# KiCad board panel.kicad_pcb (continued)
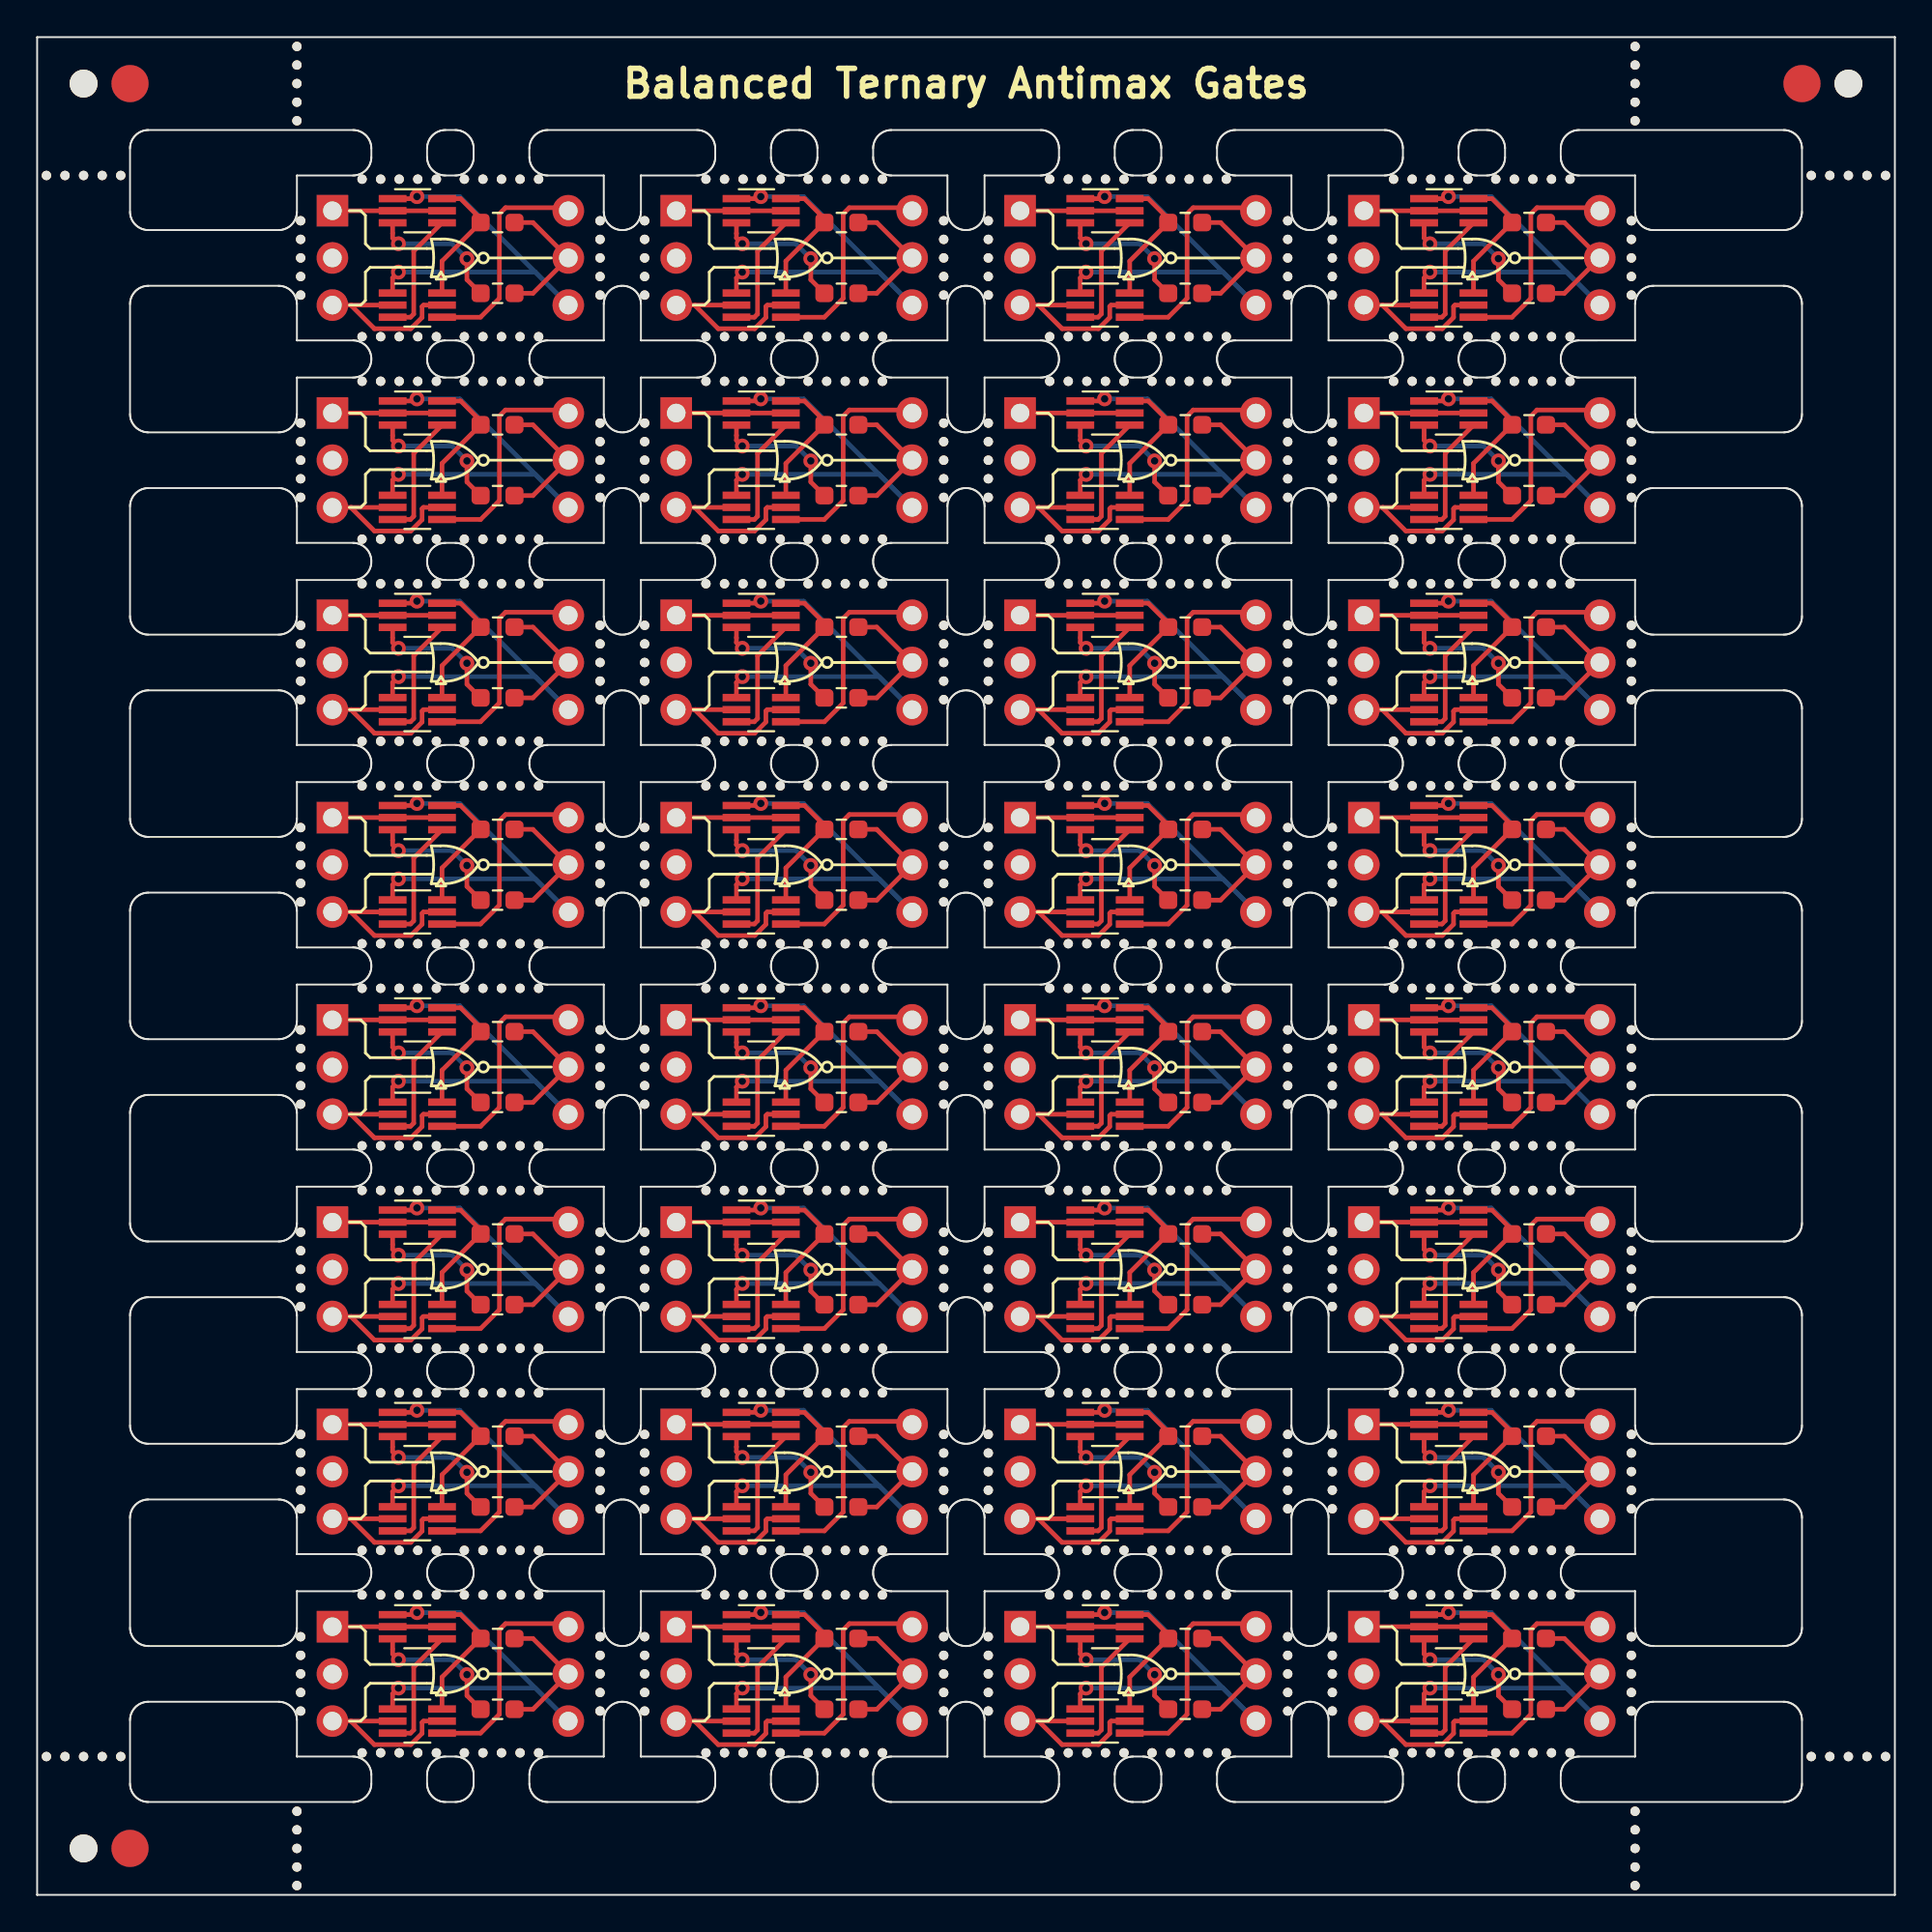
[diagram p0: board, top side]
## Routing (per net, layer and track width the routed paths; a pad name or vN(x,y) marks a point on that pad's centre or on a via; arc(x,y) is an arc through that point) (continued)
Board_7-VDD: length 12
  Top w0.25: Q1#29.4 79.4,74.05 80.42,75.06 80.42,79.61 80.74,79.94 83.96,79.94 J2#2.1
Board_7-VSS: length 23.1
  Top w0.25: v1(74.98,76.47) 74.67,76.16 Q1#29.1 ; Q2#13.1 75.87,80.43 v1(75.98,80.54)
  Bottom w0.25: v1(75.98,80.54) 78.28,80.54 J2#2.3 82.35,76.47 v1(74.98,76.47)
Board_8-A: length 9.5
  Top w0.25: Q1#32.5 20.8,63.81 20.72,63.73 20.72,63.14 20.12,62.54 18.16,62.54 16.91,63.78 16.91,63.81 ; 16.91,63.81 Q1#32.2 ; 16.91,63.81 J1#31.3
Board_8-B: length 5.9
  Top w0.25: Q2#6.5 Q2#6.2 J1#31.1
Board_8-Net-(Q1-Pad3): length 6.7
  Top w0.25: Q1#32.3 20.1,63.16 20.27,63.33 20.27,66.71 Q2#6.4
Board_8-Net-(Q1-Pad6): length 7.4
  Top w0.25: Q1#32.6 21.8,66.18 R2#19.2 23.87,68.46 22.8,69.54 Q2#6.6
Board_8-Net-(Q2-Pad3): length 7.4
  Top w0.25: v1(23.14,66.31) 23.14,65.18 R1#22.1 ; v1(19.45,67.11) 19.14,67.42 Q2#6.3
  Bottom w0.25: v1(19.45,67.11) 22.34,67.11 v1(23.14,66.31)
Board_8-Out: length 7.4
  Top w0.25: R1#22.2 26.69,64.44 J2#12.2 26.69,68.25 R2#19.1
Board_8-VDD: length 12
  Top w0.25: J2#12.1 28.43,69.05 25.21,69.05 24.88,68.72 24.88,64.17 23.87,63.16 Q1#32.4
Board_8-VSS: length 23.1
  Top w0.25: v1(20.45,69.65) 20.34,69.54 Q2#6.1 ; Q1#32.1 19.14,65.27 v1(19.45,65.58)
  Bottom w0.25: v1(19.45,65.58) 26.82,65.58 J2#12.3 22.75,69.65 v1(20.45,69.65)
Board_9-A: length 9.5
  Top w0.25: 40.31,63.81 39.31,63.81 39.23,63.73 39.23,63.14 38.63,62.54 36.67,62.54 35.42,63.78 35.42,63.81 ; Q1#23.2 35.42,63.81 ; 35.42,63.81 J1#19.3
Board_9-B: length 5.9
  Top w0.25: J1#19.1 Q2#25.2 40.31,68.89
Board_9-Net-(Q1-Pad3): length 6.7
  Top w0.25: Q1#23.3 38.61,63.16 38.78,63.33 38.78,66.71 40.31,68.24
Board_9-Net-(Q1-Pad6): length 7.4
  Top w0.25: 40.31,69.54 41.31,69.54 42.38,68.46 R2#2.2 40.31,66.18 40.31,64.46
Board_9-Net-(Q2-Pad3): length 7.4
  Top w0.25: Q2#25.3 37.65,67.42 v1(37.96,67.11) ; v1(41.65,66.31) 41.65,65.18 R1#24.1
  Bottom w0.25: v1(41.65,66.31) 40.85,67.11 v1(37.96,67.11)
Board_9-Out: length 7.4
  Top w0.25: R1#24.2 45.2,64.44 J2#9.2 45.2,68.25 R2#2.1
Board_9-VDD: length 12
  Top w0.25: J2#9.1 46.94,69.05 43.72,69.05 43.4,68.72 43.4,64.17 42.38,63.16 40.31,63.16
Board_9-VSS: length 23.1
  Top w0.25: Q2#25.1 38.85,69.54 v1(38.96,69.65) ; v1(37.96,65.58) 37.65,65.27 Q1#23.1
  Bottom w0.25: v1(37.96,65.58) 45.33,65.58 J2#9.3 41.26,69.65 v1(38.96,69.65)
Board_10-A: length 9.5
  Top w0.25: Q1#2.2 53.93,63.81 ; 53.93,63.81 53.93,63.78 55.18,62.54 57.14,62.54 57.74,63.14 57.74,63.73 57.82,63.81 Q1#2.5 ; 53.93,63.81 J1#26.3
Board_10-B: length 5.9
  Top w0.25: Q2#4.5 Q2#4.2 J1#26.1
Board_10-Net-(Q1-Pad3): length 6.7
  Top w0.25: Q1#2.3 57.12,63.16 57.29,63.33 57.29,66.71 Q2#4.4
Board_10-Net-(Q1-Pad6): length 7.4
  Top w0.25: Q1#2.6 58.82,66.18 R2#32.2 60.89,68.46 59.82,69.54 Q2#4.6
Board_10-Net-(Q2-Pad3): length 7.4
  Top w0.25: Q2#4.3 56.16,67.42 v1(56.47,67.11) ; v1(60.16,66.31) 60.16,65.18 R1#11.1
  Bottom w0.25: v1(56.47,67.11) 59.36,67.11 v1(60.16,66.31)
Board_10-Out: length 7.4
  Top w0.25: R1#11.2 63.71,64.44 J2#24.2 63.71,68.25 R2#32.1
Board_10-VDD: length 12
  Top w0.25: Q1#2.4 60.89,63.16 61.91,64.17 61.91,68.72 62.23,69.05 65.45,69.05 J2#24.1
Board_10-VSS: length 23.1
  Top w0.25: v1(57.47,69.65) 57.36,69.54 Q2#4.1 ; v1(56.47,65.58) 56.16,65.27 Q1#2.1
  Bottom w0.25: v1(56.47,65.58) 63.84,65.58 J2#24.3 59.77,69.65 v1(57.47,69.65)
Board_11-A: length 9.5
  Top w0.25: 72.44,63.81 J1.3 ; 72.44,63.81 Q1#31.2 ; 72.44,63.81 72.44,63.78 73.69,62.54 75.65,62.54 76.25,63.14 76.25,63.73 76.33,63.81 Q1#31.5
Board_11-B: length 5.9
  Top w0.25: J1.1 Q2#17.2 Q2#17.5
Board_11-Net-(Q1-Pad3): length 6.7
  Top w0.25: Q2#17.4 75.8,66.71 75.8,63.33 75.63,63.16 Q1#31.3
Board_11-Net-(Q1-Pad6): length 7.4
  Top w0.25: Q2#17.6 78.33,69.54 79.4,68.46 R2#21.2 77.33,66.18 Q1#31.6
Board_11-Net-(Q2-Pad3): length 7.4
  Top w0.25: R1#29.1 78.67,65.18 v1(78.67,66.31) ; v1(74.98,67.11) 74.67,67.42 Q2#17.3
  Bottom w0.25: v1(78.67,66.31) 77.87,67.11 v1(74.98,67.11)
Board_11-Out: length 7.4
  Top w0.25: R2#21.1 82.22,68.25 J2#28.2 82.22,64.44 R1#29.2
Board_11-VDD: length 12
  Top w0.25: J2#28.1 83.96,69.05 80.74,69.05 80.42,68.72 80.42,64.17 79.4,63.16 Q1#31.4
Board_11-VSS: length 23.1
  Top w0.25: v1(74.98,65.58) 74.67,65.27 Q1#31.1 ; Q2#17.1 75.87,69.54 v1(75.98,69.65)
  Bottom w0.25: v1(75.98,69.65) 78.28,69.65 J2#28.3 82.35,65.58 v1(74.98,65.58)
Board_12-A: length 9.5
  Top w0.25: 16.91,52.92 J1#27.3 ; 16.91,52.92 16.91,52.89 18.16,51.65 20.12,51.65 20.72,52.25 20.72,52.84 20.8,52.92 Q1#8.5 ; 16.91,52.92 Q1#8.2
Board_12-B: length 5.9
  Top w0.25: J1#27.1 Q2#21.2 Q2#21.5
Board_12-Net-(Q1-Pad3): length 6.7
  Top w0.25: Q2#21.4 20.27,55.82 20.27,52.44 20.1,52.27 Q1#8.3
Board_12-Net-(Q1-Pad6): length 7.4
  Top w0.25: Q1#8.6 21.8,55.29 R2#11.2 23.87,57.57 22.8,58.65 Q2#21.6
Board_12-Net-(Q2-Pad3): length 7.4
  Top w0.25: v1(19.45,56.22) 19.14,56.53 Q2#21.3 ; R1#16.1 23.14,54.29 v1(23.14,55.42)
  Bottom w0.25: v1(23.14,55.42) 22.34,56.22 v1(19.45,56.22)
Board_12-Out: length 7.4
  Top w0.25: R2#11.1 26.69,57.36 J2#13.2 26.69,53.55 R1#16.2
Board_12-VDD: length 12
  Top w0.25: Q1#8.4 23.87,52.27 24.88,53.28 24.88,57.83 25.21,58.16 28.43,58.16 J2#13.1
Board_12-VSS: length 23.1
  Top w0.25: Q2#21.1 20.34,58.65 v1(20.45,58.76) ; Q1#8.1 19.14,54.38 v1(19.45,54.69)
  Bottom w0.25: v1(20.45,58.76) 22.75,58.76 J2#13.3 26.82,54.69 v1(19.45,54.69)
Board_13-A: length 9.5
  Top w0.25: 40.31,52.92 39.31,52.92 39.23,52.84 39.23,52.25 38.63,51.65 36.67,51.65 35.42,52.89 35.42,52.92 ; 35.42,52.92 Q1#7.2 ; 35.42,52.92 J1#20.3
Board_13-B: length 5.9
  Top w0.25: J1#20.1 Q2#28.2 40.31,58
Board_13-Net-(Q1-Pad3): length 6.7
  Top w0.25: Q1#7.3 38.61,52.27 38.78,52.44 38.78,55.82 40.31,57.35
Board_13-Net-(Q1-Pad6): length 7.4
  Top w0.25: 40.31,53.57 40.31,55.29 R2#5.2 42.38,57.57 41.31,58.65 40.31,58.65
Board_13-Net-(Q2-Pad3): length 7.4
  Top w0.25: Q2#28.3 37.65,56.53 v1(37.96,56.22) ; R1#27.1 41.65,54.29 v1(41.65,55.42)
  Bottom w0.25: v1(37.96,56.22) 40.85,56.22 v1(41.65,55.42)
Board_13-Out: length 7.4
  Top w0.25: R2#5.1 45.2,57.36 J2#11.2 45.2,53.55 R1#27.2
Board_13-VDD: length 12
  Top w0.25: J2#11.1 46.94,58.16 43.72,58.16 43.4,57.83 43.4,53.28 42.38,52.27 40.31,52.27
Board_13-VSS: length 23.1
  Top w0.25: Q1#7.1 37.65,54.38 v1(37.96,54.69) ; v1(38.96,58.76) 38.85,58.65 Q2#28.1
  Bottom w0.25: v1(38.96,58.76) 41.26,58.76 J2#11.3 45.33,54.69 v1(37.96,54.69)
Board_14-A: length 9.5
  Top w0.25: Q1#12.5 57.82,52.92 57.74,52.84 57.74,52.25 57.14,51.65 55.18,51.65 53.93,52.89 53.93,52.92 ; 53.93,52.92 Q1#12.2 ; 53.93,52.92 J1#11.3
Board_14-B: length 5.9
  Top w0.25: Q2#8.5 Q2#8.2 J1#11.1
Board_14-Net-(Q1-Pad3): length 6.7
  Top w0.25: Q2#8.4 57.29,55.82 57.29,52.44 57.12,52.27 Q1#12.3
Board_14-Net-(Q1-Pad6): length 7.4
  Top w0.25: Q1#12.6 58.82,55.29 R2#28.2 60.89,57.57 59.82,58.65 Q2#8.6
Board_14-Net-(Q2-Pad3): length 7.4
  Top w0.25: v1(60.16,55.42) 60.16,54.29 R1#17.1 ; v1(56.47,56.22) 56.16,56.53 Q2#8.3
  Bottom w0.25: v1(60.16,55.42) 59.36,56.22 v1(56.47,56.22)
Board_14-Out: length 7.4
  Top w0.25: R2#28.1 63.71,57.36 J2#32.2 63.71,53.55 R1#17.2
Board_14-VDD: length 12
  Top w0.25: J2#32.1 65.45,58.16 62.23,58.16 61.91,57.83 61.91,53.28 60.89,52.27 Q1#12.4
Board_14-VSS: length 23.1
  Top w0.25: v1(57.47,58.76) 57.36,58.65 Q2#8.1 ; v1(56.47,54.69) 56.16,54.38 Q1#12.1
  Bottom w0.25: v1(56.47,54.69) 63.84,54.69 J2#32.3 59.77,58.76 v1(57.47,58.76)
Board_15-A: length 9.5
  Top w0.25: Q1#21.2 72.44,52.92 ; 72.44,52.92 J1#10.3 ; 72.44,52.92 72.44,52.89 73.69,51.65 75.65,51.65 76.25,52.25 76.25,52.84 76.33,52.92 Q1#21.5
Board_15-B: length 5.9
  Top w0.25: J1#10.1 Q2#22.2 Q2#22.5
Board_15-Net-(Q1-Pad3): length 6.7
  Top w0.25: Q1#21.3 75.63,52.27 75.8,52.44 75.8,55.82 Q2#22.4
Board_15-Net-(Q1-Pad6): length 7.4
  Top w0.25: Q2#22.6 78.33,58.65 79.4,57.57 R2#30.2 77.33,55.29 Q1#21.6
Board_15-Net-(Q2-Pad3): length 7.4
  Top w0.25: v1(74.98,56.22) 74.67,56.53 Q2#22.3 ; R1#30.1 78.67,54.29 v1(78.67,55.42)
  Bottom w0.25: v1(78.67,55.42) 77.87,56.22 v1(74.98,56.22)
Board_15-Out: length 7.4
  Top w0.25: R1#30.2 82.22,53.55 J2#29.2 82.22,57.36 R2#30.1
Board_15-VDD: length 12
  Top w0.25: Q1#21.4 79.4,52.27 80.42,53.28 80.42,57.83 80.74,58.16 83.96,58.16 J2#29.1
Board_15-VSS: length 23.1
  Top w0.25: Q2#22.1 75.87,58.65 v1(75.98,58.76) ; v1(74.98,54.69) 74.67,54.38 Q1#21.1
  Bottom w0.25: v1(75.98,58.76) 78.28,58.76 J2#29.3 82.35,54.69 v1(74.98,54.69)
Board_16-A: length 9.5
  Top w0.25: 16.91,42.03 16.91,42 18.16,40.76 20.12,40.76 20.72,41.36 20.72,41.95 20.8,42.03 Q1.5 ; 16.91,42.03 J1#15.3 ; 16.91,42.03 Q1.2
Board_16-B: length 5.9
  Top w0.25: Q2#27.5 Q2#27.2 J1#15.1
Board_16-Net-(Q1-Pad3): length 6.7
  Top w0.25: Q2#27.4 20.27,44.93 20.27,41.55 20.1,41.38 Q1.3
Board_16-Net-(Q1-Pad6): length 7.4
  Top w0.25: Q2#27.6 22.8,47.76 23.87,46.68 R2#13.2 21.8,44.4 Q1.6
Board_16-Net-(Q2-Pad3): length 7.4
  Top w0.25: v1(19.45,45.33) 19.14,45.64 Q2#27.3 ; R1#10.1 23.14,43.4 v1(23.14,44.53)
  Bottom w0.25: v1(23.14,44.53) 22.34,45.33 v1(19.45,45.33)
Board_16-Out: length 7.4
  Top w0.25: R2#13.1 26.69,46.47 J2#17.2 26.69,42.66 R1#10.2
Board_16-VDD: length 12
  Top w0.25: Q1.4 23.87,41.38 24.88,42.39 24.88,46.94 25.21,47.27 28.43,47.27 J2#17.1
Board_16-VSS: length 23.1
  Top w0.25: v1(19.45,43.8) 19.14,43.49 Q1.1 ; v1(20.45,47.87) 20.34,47.76 Q2#27.1
  Bottom w0.25: v1(19.45,43.8) 26.82,43.8 J2#17.3 22.75,47.87 v1(20.45,47.87)
Board_17-A: length 9.5
  Top w0.25: Q1#10.2 35.42,42.03 ; 35.42,42.03 J1#14.3 ; 35.42,42.03 35.42,42 36.67,40.76 38.63,40.76 39.23,41.36 39.23,41.95 39.31,42.03 40.31,42.03
Board_17-B: length 5.9
  Top w0.25: J1#14.1 Q2#5.2 40.31,47.11
Board_17-Net-(Q1-Pad3): length 6.7
  Top w0.25: 40.31,46.46 38.78,44.93 38.78,41.55 38.61,41.38 Q1#10.3
Board_17-Net-(Q1-Pad6): length 7.4
  Top w0.25: 40.31,42.68 40.31,44.4 R2#31.2 42.38,46.68 41.31,47.76 40.31,47.76
Board_17-Net-(Q2-Pad3): length 7.4
  Top w0.25: v1(41.65,44.53) 41.65,43.4 R1#15.1 ; Q2#5.3 37.65,45.64 v1(37.96,45.33)
  Bottom w0.25: v1(41.65,44.53) 40.85,45.33 v1(37.96,45.33)
Board_17-Out: length 7.4
  Top w0.25: R2#31.1 45.2,46.47 J2#10.2 45.2,42.66 R1#15.2
Board_17-VDD: length 12
  Top w0.25: 40.31,41.38 42.38,41.38 43.4,42.39 43.4,46.94 43.72,47.27 46.94,47.27 J2#10.1
Board_17-VSS: length 23.1
  Top w0.25: v1(38.96,47.87) 38.85,47.76 Q2#5.1 ; Q1#10.1 37.65,43.49 v1(37.96,43.8)
  Bottom w0.25: v1(38.96,47.87) 41.26,47.87 J2#10.3 45.33,43.8 v1(37.96,43.8)
Board_18-A: length 9.5
  Top w0.25: 53.93,42.03 53.93,42 55.18,40.76 57.14,40.76 57.74,41.36 57.74,41.95 57.82,42.03 Q1#13.5 ; 53.93,42.03 Q1#13.2 ; 53.93,42.03 J1#23.3
Board_18-B: length 5.9
  Top w0.25: Q2#20.5 Q2#20.2 J1#23.1
Board_18-Net-(Q1-Pad3): length 6.7
  Top w0.25: Q2#20.4 57.29,44.93 57.29,41.55 57.12,41.38 Q1#13.3
Board_18-Net-(Q1-Pad6): length 7.4
  Top w0.25: Q1#13.6 58.82,44.4 R2#27.2 60.89,46.68 59.82,47.76 Q2#20.6
Board_18-Net-(Q2-Pad3): length 7.4
  Top w0.25: R1.1 60.16,43.4 v1(60.16,44.53) ; Q2#20.3 56.16,45.64 v1(56.47,45.33)
  Bottom w0.25: v1(60.16,44.53) 59.36,45.33 v1(56.47,45.33)
Board_18-Out: length 7.4
  Top w0.25: R1.2 63.71,42.66 J2#3.2 63.71,46.47 R2#27.1
Board_18-VDD: length 12
  Top w0.25: J2#3.1 65.45,47.27 62.23,47.27 61.91,46.94 61.91,42.39 60.89,41.38 Q1#13.4
Board_18-VSS: length 23.1
  Top w0.25: Q2#20.1 57.36,47.76 v1(57.47,47.87) ; v1(56.47,43.8) 56.16,43.49 Q1#13.1
  Bottom w0.25: v1(56.47,43.8) 63.84,43.8 J2#3.3 59.77,47.87 v1(57.47,47.87)
Board_19-A: length 9.5
  Top w0.25: 72.44,42.03 72.44,42 73.69,40.76 75.65,40.76 76.25,41.36 76.25,41.95 76.33,42.03 Q1#27.5 ; 72.44,42.03 J1#6.3 ; 72.44,42.03 Q1#27.2
Board_19-B: length 5.9
  Top w0.25: Q2#19.5 Q2#19.2 J1#6.1
Board_19-Net-(Q1-Pad3): length 6.7
  Top w0.25: Q1#27.3 75.63,41.38 75.8,41.55 75.8,44.93 Q2#19.4
Board_19-Net-(Q1-Pad6): length 7.4
  Top w0.25: Q2#19.6 78.33,47.76 79.4,46.68 R2#23.2 77.33,44.4 Q1#27.6
Board_19-Net-(Q2-Pad3): length 7.4
  Top w0.25: v1(74.98,45.33) 74.67,45.64 Q2#19.3 ; v1(78.67,44.53) 78.67,43.4 R1#2.1
  Bottom w0.25: v1(74.98,45.33) 77.87,45.33 v1(78.67,44.53)
Board_19-Out: length 7.4
  Top w0.25: R1#2.2 82.22,42.66 J2#20.2 82.22,46.47 R2#23.1
Board_19-VDD: length 12
  Top w0.25: J2#20.1 83.96,47.27 80.74,47.27 80.42,46.94 80.42,42.39 79.4,41.38 Q1#27.4
Board_19-VSS: length 23.1
  Top w0.25: v1(74.98,43.8) 74.67,43.49 Q1#27.1 ; v1(75.98,47.87) 75.87,47.76 Q2#19.1
  Bottom w0.25: v1(74.98,43.8) 82.35,43.8 J2#20.3 78.28,47.87 v1(75.98,47.87)
Board_20-A: length 9.5
  Top w0.25: Q1#5.5 20.8,31.14 20.72,31.06 20.72,30.47 20.12,29.87 18.16,29.87 16.91,31.11 16.91,31.14 ; 16.91,31.14 J1#21.3 ; 16.91,31.14 Q1#5.2
Board_20-B: length 5.9
  Top w0.25: J1#21.1 Q2#23.2 Q2#23.5
Board_20-Net-(Q1-Pad3): length 6.7
  Top w0.25: Q2#23.4 20.27,34.04 20.27,30.66 20.1,30.49 Q1#5.3
Board_20-Net-(Q1-Pad6): length 7.4
  Top w0.25: Q1#5.6 21.8,33.51 R2.2 23.87,35.79 22.8,36.87 Q2#23.6
Board_20-Net-(Q2-Pad3): length 7.4
  Top w0.25: R1#28.1 23.14,32.51 v1(23.14,33.64) ; v1(19.45,34.44) 19.14,34.75 Q2#23.3
  Bottom w0.25: v1(23.14,33.64) 22.34,34.44 v1(19.45,34.44)
Board_20-Out: length 7.4
  Top w0.25: R1#28.2 26.69,31.77 J2#18.2 26.69,35.58 R2.1
Board_20-VDD: length 12
  Top w0.25: Q1#5.4 23.87,30.49 24.88,31.5 24.88,36.05 25.21,36.38 28.43,36.38 J2#18.1
Board_20-VSS: length 23.1
  Top w0.25: v1(19.45,32.91) 19.14,32.6 Q1#5.1 ; v1(20.45,36.98) 20.34,36.87 Q2#23.1
  Bottom w0.25: v1(19.45,32.91) 26.82,32.91 J2#18.3 22.75,36.98 v1(20.45,36.98)
Board_21-A: length 9.5
  Top w0.25: 35.42,31.14 35.42,31.11 36.67,29.87 38.63,29.87 39.23,30.47 39.23,31.06 39.31,31.14 40.31,31.14 ; 35.42,31.14 Q1#24.2 ; 35.42,31.14 J1#22.3
Board_21-B: length 5.9
  Top w0.25: 40.31,36.22 Q2#29.2 J1#22.1
Board_21-Net-(Q1-Pad3): length 6.7
  Top w0.25: 40.31,35.57 38.78,34.04 38.78,30.66 38.61,30.49 Q1#24.3
Board_21-Net-(Q1-Pad6): length 7.4
  Top w0.25: 40.31,31.79 40.31,33.51 R2#12.2 42.38,35.79 41.31,36.87 40.31,36.87
Board_21-Net-(Q2-Pad3): length 7.4
  Top w0.25: Q2#29.3 37.65,34.75 v1(37.96,34.44) ; v1(41.65,33.64) 41.65,32.51 R1#21.1
  Bottom w0.25: v1(41.65,33.64) 40.85,34.44 v1(37.96,34.44)
Board_21-Out: length 7.4
  Top w0.25: R2#12.1 45.2,35.58 J2#22.2 45.2,31.77 R1#21.2
Board_21-VDD: length 12
  Top w0.25: J2#22.1 46.94,36.38 43.72,36.38 43.4,36.05 43.4,31.5 42.38,30.49 40.31,30.49
Board_21-VSS: length 23.1
  Top w0.25: Q2#29.1 38.85,36.87 v1(38.96,36.98) ; Q1#24.1 37.65,32.6 v1(37.96,32.91)
  Bottom w0.25: v1(38.96,36.98) 41.26,36.98 J2#22.3 45.33,32.91 v1(37.96,32.91)
Board_22-A: length 9.5
  Top w0.25: 53.93,31.14 53.93,31.11 55.18,29.87 57.14,29.87 57.74,30.47 57.74,31.06 57.82,31.14 Q1#20.5 ; 53.93,31.14 Q1#20.2 ; 53.93,31.14 J1#24.3
Board_22-B: length 5.9
  Top w0.25: Q2#31.5 Q2#31.2 J1#24.1
Board_22-Net-(Q1-Pad3): length 6.7
  Top w0.25: Q2#31.4 57.29,34.04 57.29,30.66 57.12,30.49 Q1#20.3
Board_22-Net-(Q1-Pad6): length 7.4
  Top w0.25: Q1#20.6 58.82,33.51 R2#8.2 60.89,35.79 59.82,36.87 Q2#31.6
Board_22-Net-(Q2-Pad3): length 7.4
  Top w0.25: v1(56.47,34.44) 56.16,34.75 Q2#31.3 ; v1(60.16,33.64) 60.16,32.51 R1#18.1
  Bottom w0.25: v1(60.16,33.64) 59.36,34.44 v1(56.47,34.44)
Board_22-Out: length 7.4
  Top w0.25: R1#18.2 63.71,31.77 J2#16.2 63.71,35.58 R2#8.1
Board_22-VDD: length 12
  Top w0.25: J2#16.1 65.45,36.38 62.23,36.38 61.91,36.05 61.91,31.5 60.89,30.49 Q1#20.4
Board_22-VSS: length 23.1
  Top w0.25: Q2#31.1 57.36,36.87 v1(57.47,36.98) ; v1(56.47,32.91) 56.16,32.6 Q1#20.1
  Bottom w0.25: v1(56.47,32.91) 63.84,32.91 J2#16.3 59.77,36.98 v1(57.47,36.98)
Board_23-A: length 9.5
  Top w0.25: 72.44,31.14 J1#17.3 ; 72.44,31.14 Q1#15.2 ; 72.44,31.14 72.44,31.11 73.69,29.87 75.65,29.87 76.25,30.47 76.25,31.06 76.33,31.14 Q1#15.5
Board_23-B: length 5.9
  Top w0.25: Q2#24.5 Q2#24.2 J1#17.1
Board_23-Net-(Q1-Pad3): length 6.7
  Top w0.25: Q2#24.4 75.8,34.04 75.8,30.66 75.63,30.49 Q1#15.3
Board_23-Net-(Q1-Pad6): length 7.4
  Top w0.25: Q1#15.6 77.33,33.51 R2#17.2 79.4,35.79 78.33,36.87 Q2#24.6
Board_23-Net-(Q2-Pad3): length 7.4
  Top w0.25: R1#25.1 78.67,32.51 v1(78.67,33.64) ; Q2#24.3 74.67,34.75 v1(74.98,34.44)
  Bottom w0.25: v1(78.67,33.64) 77.87,34.44 v1(74.98,34.44)
Board_23-Out: length 7.4
  Top w0.25: R1#25.2 82.22,31.77 J2#14.2 82.22,35.58 R2#17.1
Board_23-VDD: length 12
  Top w0.25: Q1#15.4 79.4,30.49 80.42,31.5 80.42,36.05 80.74,36.38 83.96,36.38 J2#14.1
Board_23-VSS: length 23.1
  Top w0.25: Q2#24.1 75.87,36.87 v1(75.98,36.98) ; Q1#15.1 74.67,32.6 v1(74.98,32.91)
  Bottom w0.25: v1(74.98,32.91) 82.35,32.91 J2#14.3 78.28,36.98 v1(75.98,36.98)
Board_24-A: length 9.5
  Top w0.25: 16.91,20.25 J1#2.3 ; 16.91,20.25 Q1#14.2 ; 16.91,20.25 16.91,20.22 18.16,18.98 20.12,18.98 20.72,19.58 20.72,20.17 20.8,20.25 Q1#14.5
Board_24-B: length 5.9
  Top w0.25: J1#2.1 Q2#9.2 Q2#9.5
Board_24-Net-(Q1-Pad3): length 6.7
  Top w0.25: Q1#14.3 20.1,19.6 20.27,19.77 20.27,23.15 Q2#9.4
Board_24-Net-(Q1-Pad6): length 7.4
  Top w0.25: Q1#14.6 21.8,22.62 R2#7.2 23.87,24.9 22.8,25.98 Q2#9.6
Board_24-Net-(Q2-Pad3): length 7.4
  Top w0.25: R1#3.1 23.14,21.62 v1(23.14,22.75) ; v1(19.45,23.55) 19.14,23.86 Q2#9.3
  Bottom w0.25: v1(23.14,22.75) 22.34,23.55 v1(19.45,23.55)
Board_24-Out: length 7.4
  Top w0.25: R1#3.2 26.69,20.88 J2#26.2 26.69,24.69 R2#7.1
Board_24-VDD: length 12
  Top w0.25: Q1#14.4 23.87,19.6 24.88,20.61 24.88,25.16 25.21,25.49 28.43,25.49 J2#26.1
Board_24-VSS: length 23.1
  Top w0.25: Q1#14.1 19.14,21.71 v1(19.45,22.02) ; Q2#9.1 20.34,25.98 v1(20.45,26.09)
  Bottom w0.25: v1(20.45,26.09) 22.75,26.09 J2#26.3 26.82,22.02 v1(19.45,22.02)
Board_25-A: length 9.5
  Top w0.25: 40.31,20.25 39.31,20.25 39.23,20.17 39.23,19.58 38.63,18.98 36.67,18.98 35.42,20.22 35.42,20.25 ; Q1#16.2 35.42,20.25 ; 35.42,20.25 J1#12.3
Board_25-B: length 5.9
  Top w0.25: 40.31,25.33 Q2#30.2 J1#12.1
Board_25-Net-(Q1-Pad3): length 6.7
  Top w0.25: 40.31,24.68 38.78,23.15 38.78,19.77 38.61,19.6 Q1#16.3
Board_25-Net-(Q1-Pad6): length 7.4
  Top w0.25: 40.31,25.98 41.31,25.98 42.38,24.9 R2#4.2 40.31,22.62 40.31,20.9
Board_25-Net-(Q2-Pad3): length 7.4
  Top w0.25: v1(37.96,23.55) 37.65,23.86 Q2#30.3 ; R1#6.1 41.65,21.62 v1(41.65,22.75)
  Bottom w0.25: v1(41.65,22.75) 40.85,23.55 v1(37.96,23.55)
Board_25-Out: length 7.4
  Top w0.25: R1#6.2 45.2,20.88 J2#6.2 45.2,24.69 R2#4.1
Board_25-VDD: length 12
  Top w0.25: J2#6.1 46.94,25.49 43.72,25.49 43.4,25.16 43.4,20.61 42.38,19.6 40.31,19.6
Board_25-VSS: length 23.1
  Top w0.25: Q2#30.1 38.85,25.98 v1(38.96,26.09) ; v1(37.96,22.02) 37.65,21.71 Q1#16.1
  Bottom w0.25: v1(38.96,26.09) 41.26,26.09 J2#6.3 45.33,22.02 v1(37.96,22.02)
Board_26-A: length 9.5
  Top w0.25: Q1#4.5 57.82,20.25 57.74,20.17 57.74,19.58 57.14,18.98 55.18,18.98 53.93,20.22 53.93,20.25 ; Q1#4.2 53.93,20.25 ; 53.93,20.25 J1#4.3
Board_26-B: length 5.9
  Top w0.25: J1#4.1 Q2#32.2 Q2#32.5
Board_26-Net-(Q1-Pad3): length 6.7
  Top w0.25: Q2#32.4 57.29,23.15 57.29,19.77 57.12,19.6 Q1#4.3
Board_26-Net-(Q1-Pad6): length 7.4
  Top w0.25: Q1#4.6 58.82,22.62 R2#26.2 60.89,24.9 59.82,25.98 Q2#32.6
Board_26-Net-(Q2-Pad3): length 7.4
  Top w0.25: v1(60.16,22.75) 60.16,21.62 R1#7.1 ; Q2#32.3 56.16,23.86 v1(56.47,23.55)
  Bottom w0.25: v1(56.47,23.55) 59.36,23.55 v1(60.16,22.75)
Board_26-Out: length 7.4
  Top w0.25: R2#26.1 63.71,24.69 J2#15.2 63.71,20.88 R1#7.2
Board_26-VDD: length 12
  Top w0.25: J2#15.1 65.45,25.49 62.23,25.49 61.91,25.16 61.91,20.61 60.89,19.6 Q1#4.4
Board_26-VSS: length 23.1
  Top w0.25: Q1#4.1 56.16,21.71 v1(56.47,22.02) ; v1(57.47,26.09) 57.36,25.98 Q2#32.1
  Bottom w0.25: v1(57.47,26.09) 59.77,26.09 J2#15.3 63.84,22.02 v1(56.47,22.02)
Board_27-A: length 9.5
  Top w0.25: Q1#30.2 72.44,20.25 ; 72.44,20.25 72.44,20.22 73.69,18.98 75.65,18.98 76.25,19.58 76.25,20.17 76.33,20.25 Q1#30.5 ; 72.44,20.25 J1#5.3
Board_27-B: length 5.9
  Top w0.25: Q2#26.5 Q2#26.2 J1#5.1
Board_27-Net-(Q1-Pad3): length 6.7
  Top w0.25: Q2#26.4 75.8,23.15 75.8,19.77 75.63,19.6 Q1#30.3
Board_27-Net-(Q1-Pad6): length 7.4
  Top w0.25: Q2#26.6 78.33,25.98 79.4,24.9 R2#6.2 77.33,22.62 Q1#30.6
Board_27-Net-(Q2-Pad3): length 7.4
  Top w0.25: R1#4.1 78.67,21.62 v1(78.67,22.75) ; Q2#26.3 74.67,23.86 v1(74.98,23.55)
  Bottom w0.25: v1(74.98,23.55) 77.87,23.55 v1(78.67,22.75)
Board_27-Out: length 7.4
  Top w0.25: R1#4.2 82.22,20.88 J2#27.2 82.22,24.69 R2#6.1
Board_27-VDD: length 12
  Top w0.25: J2#27.1 83.96,25.49 80.74,25.49 80.42,25.16 80.42,20.61 79.4,19.6 Q1#30.4
Board_27-VSS: length 23.1
  Top w0.25: Q2#26.1 75.87,25.98 v1(75.98,26.09) ; v1(74.98,22.02) 74.67,21.71 Q1#30.1
  Bottom w0.25: v1(74.98,22.02) 82.35,22.02 J2#27.3 78.28,26.09 v1(75.98,26.09)
Board_28-A: length 9.5
  Top w0.25: Q1#19.2 16.91,9.36 ; 16.91,9.36 J1#13.3 ; 16.91,9.36 16.91,9.33 18.16,8.09 20.12,8.09 20.72,8.69 20.72,9.28 20.8,9.36 Q1#19.5
Board_28-B: length 5.9
  Top w0.25: J1#13.1 Q2#2.2 Q2#2.5
Board_28-Net-(Q1-Pad3): length 6.7
  Top w0.25: Q2#2.4 20.27,12.26 20.27,8.88 20.1,8.71 Q1#19.3
Board_28-Net-(Q1-Pad6): length 7.4
  Top w0.25: Q2#2.6 22.8,15.09 23.87,14.01 R2#9.2 21.8,11.73 Q1#19.6
Board_28-Net-(Q2-Pad3): length 7.4
  Top w0.25: v1(23.14,11.86) 23.14,10.73 R1#19.1 ; Q2#2.3 19.14,12.97 v1(19.45,12.66)
  Bottom w0.25: v1(19.45,12.66) 22.34,12.66 v1(23.14,11.86)
Board_28-Out: length 7.4
  Top w0.25: R2#9.1 26.69,13.8 J2.2 26.69,9.99 R1#19.2
Board_28-VDD: length 12
  Top w0.25: Q1#19.4 23.87,8.71 24.88,9.72 24.88,14.27 25.21,14.6 28.43,14.6 J2.1
Board_28-VSS: length 23.1
  Top w0.25: v1(19.45,11.13) 19.14,10.82 Q1#19.1 ; Q2#2.1 20.34,15.09 v1(20.45,15.2)
  Bottom w0.25: v1(19.45,11.13) 26.82,11.13 J2.3 22.75,15.2 v1(20.45,15.2)
Board_29-A: length 9.5
  Top w0.25: 35.42,9.36 J1#29.3 ; 35.42,9.36 35.42,9.33 36.67,8.09 38.63,8.09 39.23,8.69 39.23,9.28 39.31,9.36 40.31,9.36 ; 35.42,9.36 Q1#18.2
Board_29-B: length 5.9
  Top w0.25: 40.31,14.44 Q2.2 J1#29.1
Board_29-Net-(Q1-Pad3): length 6.7
  Top w0.25: 40.31,13.79 38.78,12.26 38.78,8.88 38.61,8.71 Q1#18.3
Board_29-Net-(Q1-Pad6): length 7.4
  Top w0.25: 40.31,15.09 41.31,15.09 42.38,14.01 R2#14.2 40.31,11.73 40.31,10.01
Board_29-Net-(Q2-Pad3): length 7.4
  Top w0.25: v1(37.96,12.66) 37.65,12.97 Q2.3 ; v1(41.65,11.86) 41.65,10.73 R1#8.1
  Bottom w0.25: v1(37.96,12.66) 40.85,12.66 v1(41.65,11.86)
Board_29-Out: length 7.4
  Top w0.25: R2#14.1 45.2,13.8 J2#23.2 45.2,9.99 R1#8.2
Board_29-VDD: length 12
  Top w0.25: J2#23.1 46.94,14.6 43.72,14.6 43.4,14.27 43.4,9.72 42.38,8.71 40.31,8.71
Board_29-VSS: length 23.1
  Top w0.25: Q2.1 38.85,15.09 v1(38.96,15.2) ; v1(37.96,11.13) 37.65,10.82 Q1#18.1
  Bottom w0.25: v1(38.96,15.2) 41.26,15.2 J2#23.3 45.33,11.13 v1(37.96,11.13)
Board_30-A: length 9.5
  Top w0.25: 53.93,9.36 J1#9.3 ; 53.93,9.36 53.93,9.33 55.18,8.09 57.14,8.09 57.74,8.69 57.74,9.28 57.82,9.36 Q1#9.5 ; 53.93,9.36 Q1#9.2
Board_30-B: length 5.9
  Top w0.25: Q2#14.5 Q2#14.2 J1#9.1
Board_30-Net-(Q1-Pad3): length 6.7
  Top w0.25: Q2#14.4 57.29,12.26 57.29,8.88 57.12,8.71 Q1#9.3
Board_30-Net-(Q1-Pad6): length 7.4
  Top w0.25: Q2#14.6 59.82,15.09 60.89,14.01 R2#29.2 58.82,11.73 Q1#9.6
Board_30-Net-(Q2-Pad3): length 7.4
  Top w0.25: v1(56.47,12.66) 56.16,12.97 Q2#14.3 ; v1(60.16,11.86) 60.16,10.73 R1#5.1
  Bottom w0.25: v1(56.47,12.66) 59.36,12.66 v1(60.16,11.86)
Board_30-Out: length 7.4
  Top w0.25: R1#5.2 63.71,9.99 J2#8.2 63.71,13.8 R2#29.1
Board_30-VDD: length 12
  Top w0.25: J2#8.1 65.45,14.6 62.23,14.6 61.91,14.27 61.91,9.72 60.89,8.71 Q1#9.4
Board_30-VSS: length 23.1
  Top w0.25: Q1#9.1 56.16,10.82 v1(56.47,11.13) ; Q2#14.1 57.36,15.09 v1(57.47,15.2)
  Bottom w0.25: v1(57.47,15.2) 59.77,15.2 J2#8.3 63.84,11.13 v1(56.47,11.13)
Board_31-A: length 9.5
  Top w0.25: 72.44,9.36 72.44,9.33 73.69,8.09 75.65,8.09 76.25,8.69 76.25,9.28 76.33,9.36 Q1#22.5 ; 72.44,9.36 J1#8.3 ; 72.44,9.36 Q1#22.2
Board_31-B: length 5.9
  Top w0.25: Q2#11.5 Q2#11.2 J1#8.1
Board_31-Net-(Q1-Pad3): length 6.7
  Top w0.25: Q2#11.4 75.8,12.26 75.8,8.88 75.63,8.71 Q1#22.3
Board_31-Net-(Q1-Pad6): length 7.4
  Top w0.25: Q2#11.6 78.33,15.09 79.4,14.01 R2#20.2 77.33,11.73 Q1#22.6
Board_31-Net-(Q2-Pad3): length 7.4
  Top w0.25: v1(74.98,12.66) 74.67,12.97 Q2#11.3 ; R1#31.1 78.67,10.73 v1(78.67,11.86)
  Bottom w0.25: v1(74.98,12.66) 77.87,12.66 v1(78.67,11.86)
Board_31-Out: length 7.4
  Top w0.25: R1#31.2 82.22,9.99 J2#19.2 82.22,13.8 R2#20.1
Board_31-VDD: length 12
  Top w0.25: Q1#22.4 79.4,8.71 80.42,9.72 80.42,14.27 80.74,14.6 83.96,14.6 J2#19.1
Board_31-VSS: length 23.1
  Top w0.25: Q2#11.1 75.87,15.09 v1(75.98,15.2) ; v1(74.98,11.13) 74.67,10.82 Q1#22.1
  Bottom w0.25: v1(74.98,11.13) 82.35,11.13 J2#19.3 78.28,15.2 v1(75.98,15.2)

## Text on the board
B.Silkscreen: B | A
F.Silkscreen: Balanced Ternary Antimax Gates
